# KiCad board processed.kicad_pcb (continued)
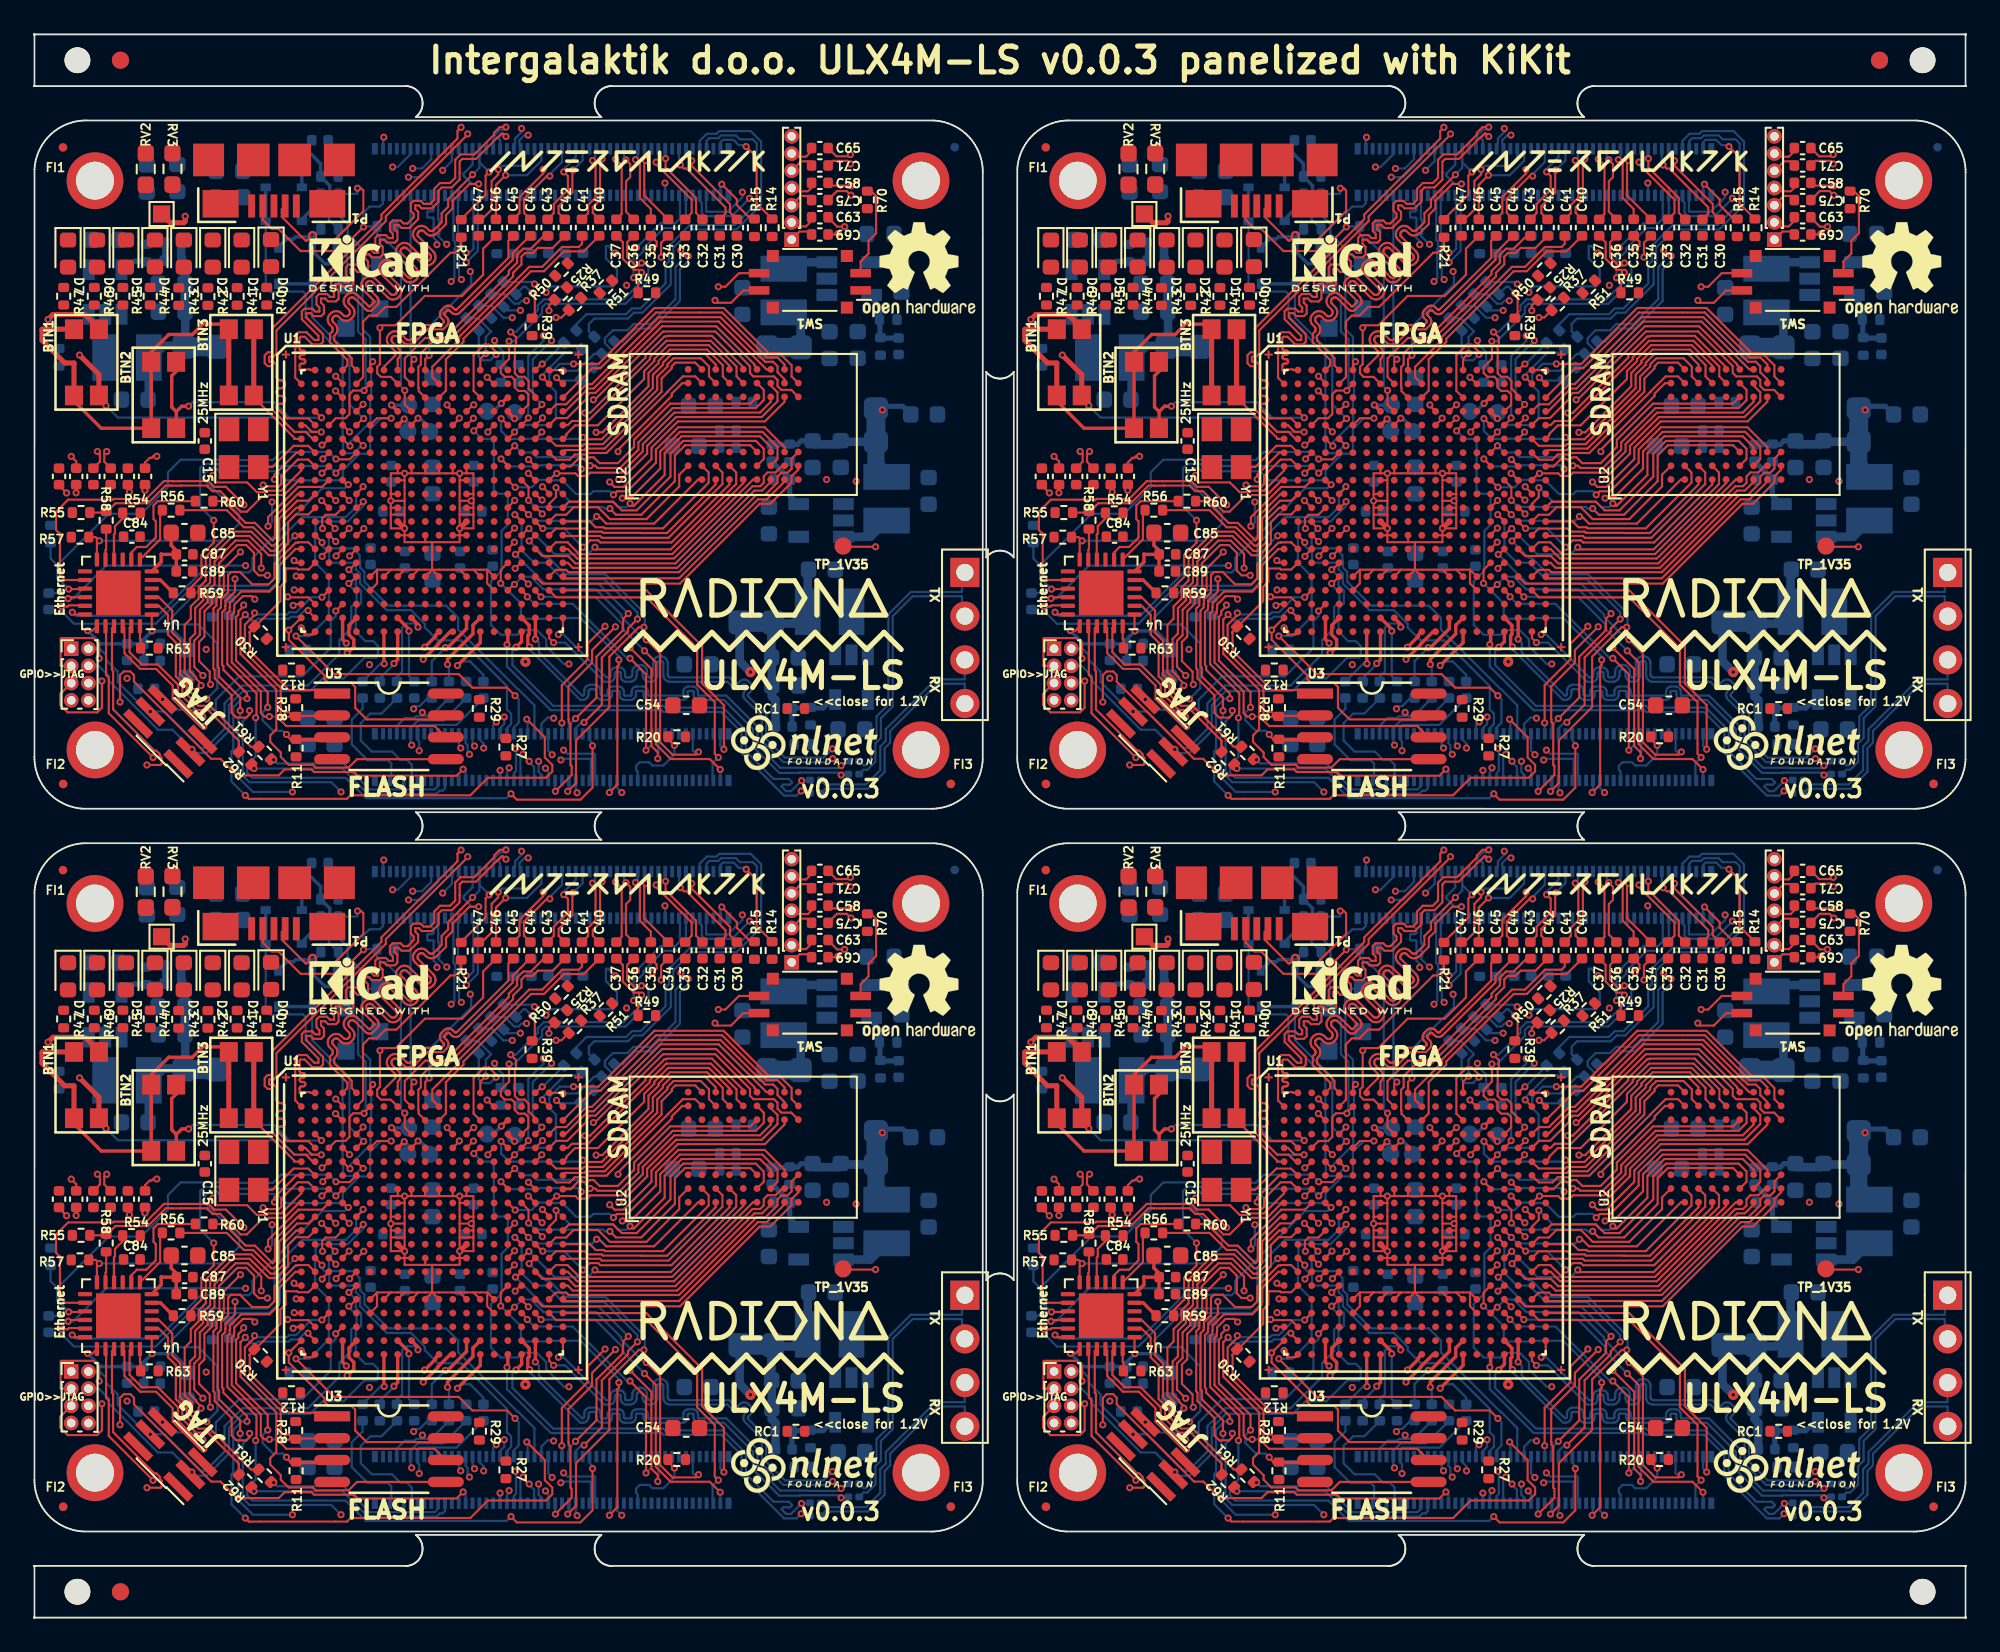
[diagram p0: board, top side]
## Text on the board (continued)
B.SilkS: USB | SERDES | PCIe | CAM1 | CAM0 | GPDI1 | Tuned (mm) / --------- / SDRAM - 35 / PCIe - 65 / GPDI0 - 20 / GPDI1 - 20 / CSI0 - 32 / CSI1 - 20 / CLK, S5,S7 - 70 | DISP0 | GPDI0 | DISP1 | GND | TX | CLK | RX | +1.1V | +3.3V | +2.5V | 1.1V | 2.5V | 3.3V | 1.35V
Cmts.User: V-CUT
F.SilkS: <<close for 1.2V | 25MHz | TX | RX | Ethernet | v0.0.3 | SDRAM | FLASH | FPGA | ULX4M-LS | Intergalaktik d.o.o. ULX4M-LS v0.0.3 panelized with KiKit
